# Altium PCB DIOT_Kasli_Adapter.PcbDoc (part 5 of 10) (continued)
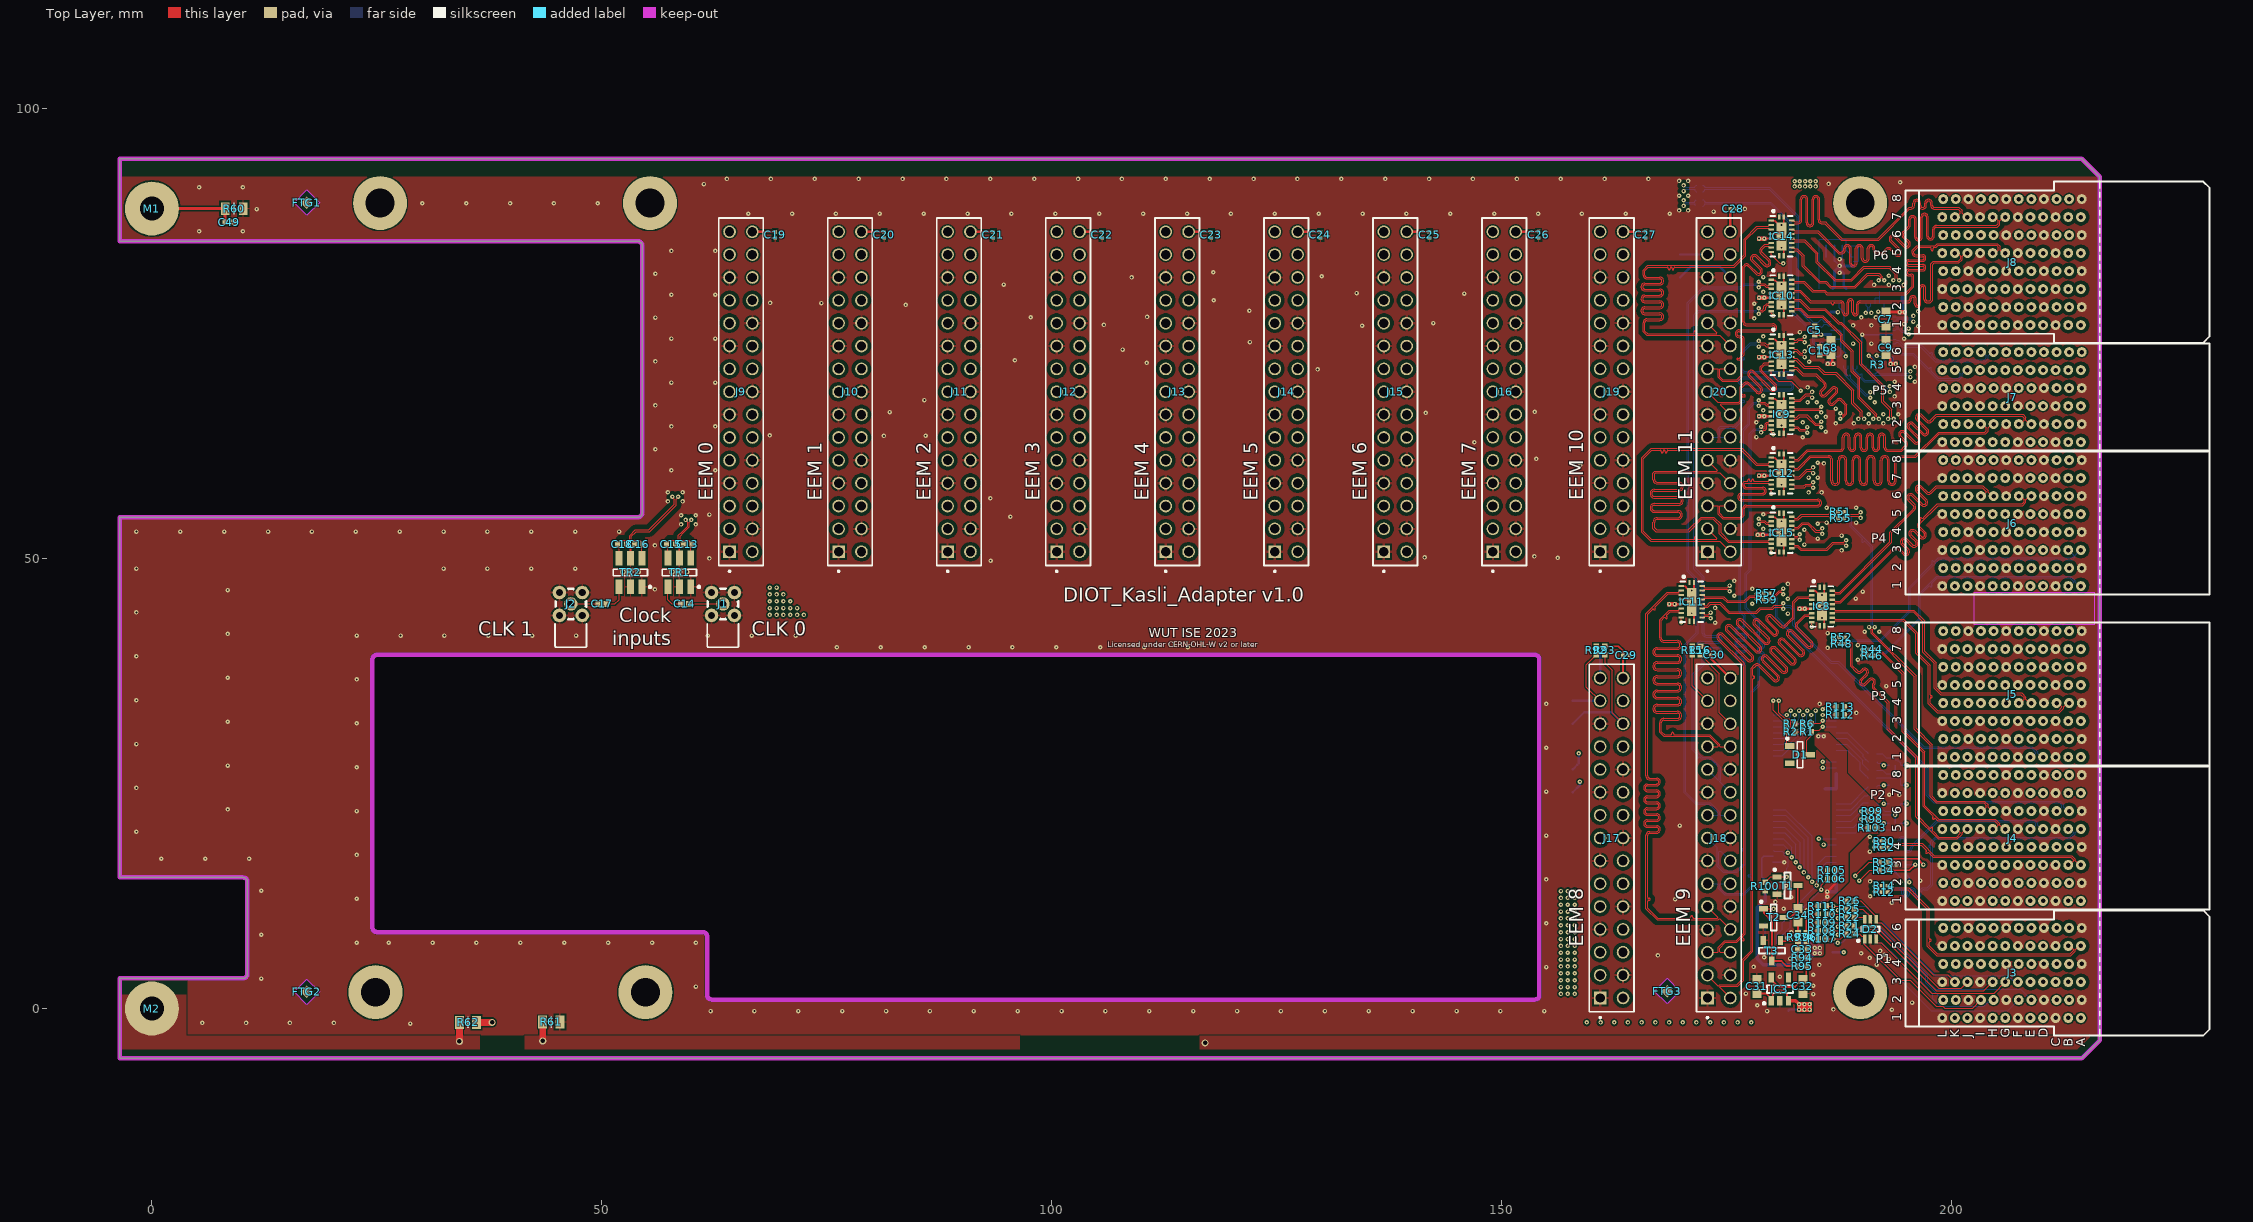
[diagram p0: Top Layer view]
## Nets (pads, with @x,y where several pads share a name; then routed paths per layer and width w, separated by ;. In a path a pad name is that pad's centre, name@x,y a point inside that pad or via, vN(x,y) a via of type N, cw(c..) or ccw(c..) an arc to the next point about the centre after c; other vN are vias at no path point) (continued)
EXT4.LVDS_5_P: J6.G1 J13.17 | length 122.9
  L10 w0.089: J13.17@112.666,71.082 113.738,71.082 113.79,71.03 113.79,70.409 114.435,69.764 115.746,69.764 116.555,68.955 116.671,68.839 ccw(c117.009,69.175) 117.345,68.839 117.563,69.056 ; 117.563,69.056 cw(c117.729,68.89) 117.895,69.056 cw(c117.729,68.89) 117.895,68.724 117.011,67.84 117.011,67.836 ccw(c117.383,67.539) 117.047,67.202 ccw(c117.383,67.539) 117.72,67.202 118.568,68.05 ; 118.569,68.051 cw(c118.735,67.884) 118.901,68.051 cw(c118.735,67.884) 118.901,67.718 118.017,66.834 118.017,66.83 ccw(c118.389,66.533) 118.726,66.196 119.574,67.044 ; 119.575,67.045 cw(c119.741,66.879) 119.907,67.045 cw(c119.741,66.879) 119.907,66.713 119.689,66.495 ccw(c120.026,66.158) 119.69,65.821 120.124,65.387 120.42,65.091 120.42,52.035 123.484,48.971 145.418,48.971 147.04,47.349 172.293,47.349 176.794,42.848 183.873,42.848 184.913,43.888 191.348,43.888 192.161,44.7 204.327,44.7 205.389,45.762 205.389,46.371 J6.G1@205.969,46.95
EXT4.LVDS_6_N: J6.K1 J13.21 | length 122.8
  L10 w0.089: J13.21@112.666,76.162 113.878,74.95 114.13,74.95 114.164,74.983 116.021,74.983 116.913,74.092 117.321,73.683 cw(c116.985,73.347) 117.321,73.01 116.999,72.688 ; 116.999,72.354 ccw(c117.164,72.521) 117.331,72.355 118.31,73.334 118.314,73.334 cw(c118.612,72.962) 118.948,73.299 cw(c118.612,72.962) 118.948,72.625 118.005,71.682 ; 116.998,72.355 cw(c117.164,72.521) 116.998,72.687 ; 118.005,71.349 ccw(c118.17,71.515) 118.336,71.349 119.316,72.329 119.32,72.329 cw(c119.617,71.956) 119.954,72.293 cw(c119.617,71.956) 119.954,71.62 119.01,70.676 ; 118.004,71.349 cw(c118.17,71.515) 118.004,71.681 ; 119.01,70.343 ccw(c119.176,70.509) 119.342,70.343 120.322,71.323 120.326,71.323 cw(c120.623,70.951) 120.96,71.287 cw(c120.623,70.951) 120.96,70.614 120.016,69.67 ; 119.01,70.344 cw(c119.176,70.509) 119.01,70.675 ; 120.016,69.337 ccw(c120.182,69.504) 120.348,69.337 120.671,69.66 cw(c121.008,69.324) 121.344,69.66 121.461,69.544 121.778,69.226 121.778,53.954 123.565,52.167 144.073,52.167 147.693,48.547 190.422,48.547 192.855,46.114 200.625,46.114 200.948,46.437 200.948,46.511 200.509,46.95 J6.K1@200.369,46.95 ; 120.015,69.338 cw(c120.182,69.504) 120.016,69.67
EXT4.LVDS_6_P: J6.J1 J13.20 | length 122.9
  L10 w0.089: J13.20@115.206,73.622 114.212,74.616 114.212,74.69 114.264,74.742 115.921,74.742 116.007,74.656 116.191,74.472 cw(c116.115,74.396) 116.191,74.319 ccw(c116.268,74.243) 116.191,74.167 ccw(c116.268,74.243) 116.344,74.167 cw(c116.42,74.09) 116.497,74.167 116.642,74.021 116.742,73.922 117.151,73.513 cw(c116.985,73.347) 117.151,73.181 116.792,72.822 116.792,72.818 ccw(c117.164,72.521) 116.828,72.184 ccw(c117.164,72.521) 117.501,72.184 118.445,73.128 ; 118.445,73.128 cw(c118.612,72.962) 118.778,73.128 cw(c118.612,72.962) 118.778,72.796 117.798,71.817 117.798,71.812 ccw(c118.17,71.515) 118.507,71.178 119.451,72.122 ; 119.451,72.123 cw(c119.617,71.956) 119.784,72.123 cw(c119.617,71.956) 119.784,71.79 118.804,70.811 118.804,70.807 ccw(c119.176,70.509) 119.513,70.173 120.457,71.116 ; 120.457,71.117 cw(c120.623,70.951) 120.789,71.117 cw(c120.623,70.951) 120.789,70.785 119.81,69.805 119.81,69.801 ccw(c120.182,69.504) 120.519,69.167 120.842,69.49 cw(c121.008,69.324) 121.174,69.49 121.291,69.373 121.537,69.126 121.537,53.854 123.465,51.926 143.973,51.926 147.593,48.306 190.322,48.306 192.755,45.873 200.725,45.873 201.189,46.337 201.189,46.511 201.629,46.95 J6.J1@201.769,46.95
EXT4.LVDS_7_N: J6.C2 J13.24 | length 123
  L10 w0.089: J13.24@115.206,78.702 114.109,78.702 114.057,78.65 114.057,78.012 114.535,77.534 116.004,77.534 116.073,77.465 116.193,77.344 ccw(c116.269,77.421) 116.345,77.344 116.442,77.441 cw(c116.518,77.365) 116.595,77.441 cw(c116.518,77.365) 116.595,77.288 116.498,77.192 ccw(c116.574,77.115) 116.498,77.039 116.682,76.855 123.101,70.437 123.101,55.512 123.93,54.683 142.95,54.683 148.165,49.468 190.652,49.468 192.024,48.096 197.282,48.096 197.529,48.096 ccw(c197.529,48.203) 197.637,48.203 197.637,48.225 cw(c197.745,48.225) 197.853,48.225 197.853,48.203 ccw(c197.961,48.203) 197.961,48.096 198.222,48.096 212.009,48.096 212.248,48.335 212.248,48.539 211.837,48.95 J6.C2@211.669,48.95
EXT4.LVDS_7_P: J6.B2 J13.23 | length 123
  L10 w0.089: J13.23@112.666,78.702 113.763,78.702 113.815,78.65 113.815,77.912 114.435,77.292 115.904,77.292 116.512,76.684 122.859,70.337 122.859,55.412 123.83,54.442 142.85,54.442 148.065,49.227 190.552,49.227 191.924,47.854 197.282,47.854 212.109,47.854 212.489,48.235 212.489,48.559 212.881,48.95 J6.B2@213.069,48.95
EXT5.LVDS_0_N: J6.F2 J14.3 | length 120.6
  L6 w0.089: J14.3@124.785,53.302 125.957,52.13 126.208,52.13 126.234,52.157 128.626,52.157 128.778,52.157 ccw(c128.778,52.392) 129.013,52.392 129.013,53.292 cw(c129.464,53.292) 129.915,53.292 129.915,51.312 ccw(c130.15,51.312) 130.385,51.312 130.385,53.292 cw(c130.835,53.292) 131.286,53.292 131.286,51.312 ccw(c131.521,51.312) 131.756,51.312 131.756,53.292 cw(c132.207,53.292) 132.658,53.292 132.658,51.312 ccw(c132.893,51.312) 133.128,51.312 133.128,53.292 cw(c133.579,53.292) 134.029,53.292 134.029,51.312 ccw(c134.264,51.312) 134.499,51.312 134.499,53.292 cw(c134.95,53.292) 135.401,53.292 135.401,52.392 ccw(c135.636,52.392) 135.636,52.157 136.398,52.157 140.335,52.157 140.487,52.157 ccw(c140.487,52.392) 140.722,52.392 140.722,52.921 cw(c141.173,52.921) 141.624,52.921 141.624,51.503 ccw(c141.859,51.503) 142.094,51.503 142.094,52.921 cw(c142.545,52.921) 142.996,52.921 142.996,52.392 ccw(c143.231,52.392) 143.231,52.157 143.739,52.157 143.975,52.157 147.686,48.446 177.318,48.446 177.692,48.072 191.668,48.072 192.634,48.072 cw(c192.634,47.621) 193.084,47.621 193.084,46.859 ccw(c193.319,46.859) 193.554,46.859 193.554,47.672 cw(c194.005,47.672) 194.456,47.672 194.456,46.859 ccw(c194.691,46.859) 194.926,46.859 194.926,47.672 cw(c195.377,47.672) 195.828,47.672 195.828,46.859 ccw(c196.063,46.859) 196.298,46.859 196.298,47.621 cw(c196.748,47.621) 196.748,48.072 196.901,48.072 207.87,48.072 208.071,48.274 208.071,48.352 207.473,48.95 J6.F2@207.469,48.95
EXT5.LVDS_0_P: J6.E2 J14.2 | length 120.6
  L6 w0.089: J14.2@127.325,50.762 126.272,51.815 126.272,51.889 126.324,51.941 128.626,51.941 128.778,51.941 ccw(c128.778,52.392) 129.229,52.392 129.229,53.292 cw(c129.464,53.292) 129.699,53.292 129.699,51.312 ccw(c130.15,51.312) 130.6,51.312 130.6,53.292 cw(c130.835,53.292) 131.07,53.292 131.07,51.312 ccw(c131.521,51.312) 131.972,51.312 131.972,53.292 cw(c132.207,53.292) 132.442,53.292 132.442,51.312 ccw(c132.893,51.312) 133.344,51.312 133.344,53.292 cw(c133.579,53.292) 133.814,53.292 133.814,51.312 ccw(c134.264,51.312) 134.715,51.312 134.715,53.292 cw(c134.95,53.292) 135.185,53.292 135.185,52.392 ccw(c135.636,52.392) 135.636,51.941 136.398,51.941 140.335,51.941 140.487,51.941 ccw(c140.487,52.392) 140.938,52.392 140.938,52.921 cw(c141.173,52.921) 141.408,52.921 141.408,51.503 ccw(c141.859,51.503) 142.31,51.503 142.31,52.921 cw(c142.545,52.921) 142.78,52.921 142.78,52.392 ccw(c143.231,52.392) 143.231,51.941 143.739,51.941 143.885,51.941 147.597,48.23 177.228,48.23 177.602,47.856 191.668,47.856 192.634,47.856 cw(c192.634,47.621) 192.869,47.621 192.869,46.859 ccw(c193.319,46.859) 193.77,46.859 193.77,47.672 cw(c194.005,47.672) 194.24,47.672 194.24,46.859 ccw(c194.691,46.859) 195.142,46.859 195.142,47.672 cw(c195.377,47.672) 195.612,47.672 195.612,46.859 ccw(c196.063,46.859) 196.513,46.859 196.513,47.621 cw(c196.748,47.621) 196.748,47.856 196.901,47.856 207.959,47.856 208.287,48.184 208.287,48.369 J6.E2@208.869,48.95
EXT5.LVDS_1_N: J6.I2 J14.6 | length 120.6
  L6 w0.089: J14.6@127.325,55.842 126.202,55.842 126.15,55.894 126.15,56.312 126.722,56.883 128.067,56.883 128.327,56.883 cw(c128.327,56.775) 128.435,56.775 128.435,56.69 ccw(c128.543,56.69) 128.651,56.69 128.651,56.775 cw(c128.759,56.775) 128.759,56.883 128.956,56.883 129.672,56.883 129.825,56.883 ccw(c129.825,57.334) 130.276,57.334 130.276,58.427 cw(c130.511,58.427) 130.746,58.427 130.746,56.456 ccw(c131.196,56.456) 131.647,56.456 131.647,58.427 cw(c131.882,58.427) 132.117,58.427 132.117,56.456 ccw(c132.568,56.456) 133.019,56.456 133.019,58.427 cw(c133.254,58.427) 133.489,58.427 133.489,57.198 ccw(c133.94,57.198) 133.621,56.879 134.476,56.024 136.093,54.407 142.992,54.407 143.124,54.275 143.231,54.168 ccw(c143.551,54.486) 143.87,54.167 144.948,55.246 cw(c145.114,55.08) 145.28,55.246 cw(c145.114,55.08) 145.281,54.914 144.081,53.714 ccw(c144.4,53.396) 144.081,53.077 ccw(c144.4,53.396) 144.719,53.077 ; 144.719,53.077 145.918,54.276 cw(c146.084,54.11) 146.25,54.276 cw(c146.084,54.11) 146.251,53.944 145.051,52.745 ccw(c145.37,52.426) 145.051,52.107 ccw(c145.37,52.426) 145.689,52.107 146.888,53.306 cw(c147.054,53.14) 147.22,53.306 cw(c147.054,53.14) 147.221,52.975 146.142,51.895 ccw(c146.46,51.576) 146.142,51.257 146.768,50.631 148.273,49.127 190.754,49.127 190.906,49.127 ccw(c190.906,49.578) 191.357,49.578 191.357,50.252 cw(c191.592,50.252) 191.827,50.252 191.827,49.146 ccw(c192.278,49.146) 192.729,49.146 192.729,50.252 cw(c192.964,50.252) 193.199,50.252 193.199,49.146 ccw(c193.65,49.146) 194.1,49.146 194.1,50.252 cw(c194.335,50.252) 194.57,50.252 194.57,49.146 ccw(c195.021,49.146) 195.472,49.146 195.472,50.252 cw(c195.707,50.252) 195.942,50.252 195.942,49.578 ccw(c196.393,49.578) 196.393,49.127 196.977,49.127 197.212,49.127 197.79,49.704 197.864,49.778 197.996,49.778 cw(c197.996,49.67) 198.104,49.67 198.104,49.657 ccw(c198.212,49.657) 198.32,49.657 198.32,49.67 cw(c198.428,49.67) 198.428,49.778 198.958,49.778 203.639,49.778 203.861,49.557 203.861,49.366 203.445,48.95 J6.I2@203.269,48.95
EXT5.LVDS_1_P: J6.H2 J14.5 | length 120.6
  L6 w0.089: J14.5@124.785,55.842 125.879,55.842 125.931,55.894 125.931,56.398 126.632,57.099 129.672,57.099 129.825,57.099 ccw(c129.825,57.334) 130.06,57.334 130.06,58.427 cw(c130.511,58.427) 130.961,58.427 130.961,56.456 ccw(c131.196,56.456) 131.431,56.456 131.431,58.427 cw(c131.882,58.427) 132.333,58.427 132.333,56.456 ccw(c132.568,56.456) 132.803,56.456 132.803,58.427 cw(c133.254,58.427) 133.705,58.427 133.705,57.198 ccw(c133.94,57.198) 133.773,57.032 134.476,56.33 136.183,54.623 143.082,54.623 143.277,54.428 143.385,54.32 ccw(c143.551,54.486) 143.717,54.32 144.796,55.399 cw(c145.114,55.08) 145.433,55.399 cw(c145.114,55.08) 145.433,54.761 ; 145.433,54.76 144.234,53.562 ccw(c144.4,53.396) 144.234,53.229 ccw(c144.4,53.396) 144.565,53.229 145.765,54.429 cw(c146.084,54.11) 146.403,54.429 cw(c146.084,54.11) 146.403,53.791 ; 146.403,53.791 145.204,52.592 ccw(c145.37,52.426) 145.204,52.26 ccw(c145.37,52.426) 145.535,52.259 146.735,53.459 cw(c147.054,53.14) 147.373,53.459 cw(c147.054,53.14) 147.373,52.821 146.294,51.743 ccw(c146.46,51.576) 146.294,51.411 146.921,50.784 148.362,49.343 190.754,49.343 190.906,49.343 ccw(c190.906,49.578) 191.141,49.578 191.141,50.252 cw(c191.592,50.252) 192.043,50.252 192.043,49.146 ccw(c192.278,49.146) 192.513,49.146 192.513,50.252 cw(c192.964,50.252) 193.415,50.252 193.415,49.146 ccw(c193.65,49.146) 193.885,49.146 193.885,50.252 cw(c194.335,50.252) 194.786,50.252 194.786,49.146 ccw(c195.021,49.146) 195.256,49.146 195.256,50.252 cw(c195.707,50.252) 196.158,50.252 196.158,49.578 ccw(c196.393,49.578) 196.393,49.343 196.977,49.343 197.123,49.343 197.774,49.994 203.729,49.994 204.077,49.646 204.077,49.341 204.468,48.95 J6.H2@204.669,48.95
EXT5.LVDS_2_N: J6.L2 J14.9 | length 120.6
  L10 w0.089: J14.9@124.785,60.922 125.933,59.774 125.933,59.568 125.876,59.512 125.876,57.925 126.799,57.003 128.956,57.003 129.121,57.003 ccw(c129.121,57.479) 129.597,57.479 129.597,58.954 cw(c129.832,58.954) 130.067,58.954 130.067,56.59 ccw(c130.543,56.59) 131.02,56.59 131.02,58.954 cw(c131.255,58.954) 131.489,58.954 131.489,56.59 ccw(c131.966,56.59) 132.442,56.59 132.442,58.954 cw(c132.677,58.954) 132.912,58.954 132.912,56.59 ccw(c133.388,56.59) 133.864,56.59 133.864,58.954 cw(c134.099,58.954) 134.334,58.954 134.334,57.479 ccw(c134.811,57.479) 134.811,57.003 135.966,57.003 141.954,57.003 147.078,51.879 154.61,51.879 154.775,51.879 ccw(c154.775,52.355) 155.251,52.355 155.251,52.533 cw(c155.486,52.533) 155.721,52.533 155.721,51.466 ccw(c156.197,51.466) 156.674,51.466 156.674,52.533 cw(c156.909,52.533) 157.143,52.533 157.143,51.466 ccw(c157.62,51.466) 158.096,51.466 158.096,51.644 cw(c158.331,51.644) 158.331,51.879 159.283,51.879 165.354,51.879 165.519,51.879 ccw(c165.519,52.355) 165.995,52.355 165.995,52.929 cw(c166.23,52.929) 166.465,52.929 166.465,51.132 ccw(c166.942,51.132) 167.418,51.132 167.418,52.929 cw(c167.653,52.929) 167.888,52.929 167.888,51.132 ccw(c168.364,51.132) 168.84,51.132 168.84,52.929 cw(c169.075,52.929) 169.31,52.929 169.31,51.132 ccw(c169.786,51.132) 170.263,51.132 170.263,51.644 cw(c170.498,51.644) 170.498,51.879 171.247,51.879 176.904,51.879 178.845,49.938 199.275,49.938 199.648,49.565 199.648,49.361 199.237,48.95 J6.L2@199.069,48.95
EXT5.LVDS_2_P: J6.K2 J14.8 | length 120.6
  L10 w0.089: J14.8@127.325,58.382 126.243,59.464 126.17,59.464 126.118,59.412 126.118,58.025 126.899,57.244 127.94,57.244 128.238,57.244 ccw(c128.238,57.352) 128.346,57.352 128.346,57.39 cw(c128.454,57.39) 128.562,57.39 128.562,57.352 ccw(c128.67,57.352) 128.67,57.244 128.93,57.244 128.956,57.244 129.121,57.244 ccw(c129.121,57.479) 129.356,57.479 129.356,58.954 cw(c129.832,58.954) 130.308,58.954 130.308,56.59 ccw(c130.543,56.59) 130.778,56.59 130.778,58.954 cw(c131.255,58.954) 131.731,58.954 131.731,56.59 ccw(c131.966,56.59) 132.201,56.59 132.201,58.954 cw(c132.677,58.954) 133.153,58.954 133.153,56.59 ccw(c133.388,56.59) 133.623,56.59 133.623,58.954 cw(c134.099,58.954) 134.576,58.954 134.576,57.479 ccw(c134.811,57.479) 134.811,57.244 135.966,57.244 142.054,57.244 147.178,52.12 154.61,52.12 154.775,52.12 ccw(c154.775,52.355) 155.01,52.355 155.01,52.533 cw(c155.486,52.533) 155.962,52.533 155.962,51.466 ccw(c156.197,51.466) 156.432,51.466 156.432,52.533 cw(c156.909,52.533) 157.385,52.533 157.385,51.466 ccw(c157.62,51.466) 157.855,51.466 157.855,51.644 cw(c158.331,51.644) 158.331,52.12 159.283,52.12 165.354,52.12 165.519,52.12 ccw(c165.519,52.355) 165.754,52.355 165.754,52.929 cw(c166.23,52.929) 166.707,52.929 166.707,51.132 ccw(c166.942,51.132) 167.176,51.132 167.176,52.929 cw(c167.653,52.929) 168.129,52.929 168.129,51.132 ccw(c168.364,51.132) 168.599,51.132 168.599,52.929 cw(c169.075,52.929) 169.551,52.929 169.551,51.132 ccw(c169.786,51.132) 170.021,51.132 170.021,51.644 cw(c170.498,51.644) 170.498,52.12 171.247,52.12 177.004,52.12 178.945,50.179 199.375,50.179 199.889,49.665 199.889,49.341 200.281,48.95 J6.K2@200.469,48.95
EXT5.LVDS_3_N: J8.B3 J14.12 | length 120.6
  L10 w0.089: J14.12@127.325,63.462 126.228,63.462 126.176,63.41 126.176,62.87 126.793,62.252 127.94,62.252 128.187,62.252 ccw(c128.187,62.36) 128.295,62.36 128.295,62.403 cw(c128.403,62.403) 128.511,62.403 128.511,62.36 ccw(c128.619,62.36) 128.619,62.252 128.88,62.252 129.464,62.252 129.629,62.252 ccw(c129.629,62.487) 129.864,62.487 129.864,62.665 cw(c130.34,62.665) 130.816,62.665 130.816,60.846 ccw(c131.051,60.846) 131.286,60.846 131.286,62.665 cw(c131.763,62.665) 132.239,62.665 132.239,60.846 ccw(c132.474,60.846) 132.709,60.846 132.709,62.665 cw(c133.185,62.665) 133.661,62.665 133.661,60.846 ccw(c133.896,60.846) 134.131,60.846 134.131,62.665 cw(c134.607,62.665) 135.084,62.665 135.084,62.487 ccw(c135.319,62.487) 135.319,62.252 136.398,62.252 140.413,62.252 148.11,69.95 152.492,69.95 160.085,77.543 165.913,77.543 166.078,77.543 ccw(c166.078,77.778) 166.313,77.778 166.313,77.93 cw(c166.789,77.93) 167.265,77.93 167.265,76.969 ccw(c167.5,76.969) 167.735,76.969 167.735,77.93 cw(c168.212,77.93) 168.688,77.93 168.688,76.969 ccw(c168.923,76.969) 169.158,76.969 169.158,77.93 cw(c169.634,77.93) 170.11,77.93 170.11,77.778 ccw(c170.345,77.778) 170.345,77.543 170.967,77.543 176.091,77.543 177.767,75.867 180.353,75.867 183.564,79.079 197.409,79.079 197.453,79.079 ccw(c197.453,79.187) 197.561,79.187 197.561,79.302 cw(c197.669,79.302) 197.777,79.302 197.777,79.187 ccw(c197.885,79.187) 197.885,79.079 198.222,79.079 213.239,79.079 213.548,79.388 213.548,79.539 213.137,79.95 J8.B3@212.969,79.95
EXT5.LVDS_3_P: J8.A3 J14.11 | length 120.6
  L10 w0.089: J14.11@124.785,63.462 125.882,63.462 125.934,63.41 125.934,62.77 126.693,62.011 129.464,62.011 129.629,62.011 ccw(c129.629,62.487) 130.105,62.487 130.105,62.665 cw(c130.34,62.665) 130.575,62.665 130.575,60.846 ccw(c131.051,60.846) 131.528,60.846 131.528,62.665 cw(c131.763,62.665) 131.997,62.665 131.997,60.846 ccw(c132.474,60.846) 132.95,60.846 132.95,62.665 cw(c133.185,62.665) 133.42,62.665 133.42,60.846 ccw(c133.896,60.846) 134.372,60.846 134.372,62.665 cw(c134.607,62.665) 134.842,62.665 134.842,62.487 ccw(c135.319,62.487) 135.319,62.011 136.398,62.011 140.513,62.011 148.21,69.709 152.592,69.709 160.185,77.302 165.913,77.302 166.078,77.302 ccw(c166.078,77.778) 166.554,77.778 166.554,77.93 cw(c166.789,77.93) 167.024,77.93 167.024,76.969 ccw(c167.5,76.969) 167.977,76.969 167.977,77.93 cw(c168.212,77.93) 168.446,77.93 168.446,76.969 ccw(c168.923,76.969) 169.399,76.969 169.399,77.93 cw(c169.634,77.93) 169.869,77.93 169.869,77.778 ccw(c170.345,77.778) 170.345,77.302 170.967,77.302 175.991,77.302 177.667,75.626 180.453,75.626 183.664,78.838 213.339,78.838 213.789,79.288 213.789,79.559 214.181,79.95 J8.A3@214.369,79.95
EXT5.LVDS_4_N: J8.E3 J14.15 | length 120.6
  L10 w0.089: J14.15@124.785,68.542 125.933,67.394 125.933,67.159 125.891,67.117 125.891,65.487 126.794,64.584 130.405,64.584 135.496,69.675 141.955,69.675 146.978,74.697 152.331,74.697 153.167,75.534 153.284,75.651 ccw(c152.947,75.988) 153.284,76.324 152.948,76.66 cw(c153.115,76.826) 152.949,76.992 cw(c153.115,76.826) 153.281,76.992 ; 153.282,76.991 154.499,75.775 ccw(c154.836,76.111) 155.173,75.774 ccw(c154.836,76.111) 155.208,76.408 155.208,76.412 153.954,77.666 cw(c154.121,77.832) 153.955,77.998 cw(c154.121,77.832) 154.287,77.998 ; 154.288,77.997 155.504,76.78 ccw(c155.842,77.116) 156.179,76.78 ccw(c155.842,77.116) 156.214,77.414 156.214,77.418 154.96,78.672 cw(c155.127,78.838) 154.96,79.004 cw(c155.127,78.838) 155.293,79.003 ; 155.293,79.003 156.51,77.786 ccw(c156.848,78.122) 157.184,77.785 ccw(c156.848,78.122) 157.22,78.419 157.22,78.424 155.966,79.678 cw(c156.132,79.843) 155.966,80.009 cw(c156.132,79.843) 156.299,80.009 ; 156.299,80.009 157.516,78.792 ccw(c157.853,79.128) 158.19,78.791 ccw(c157.853,79.128) 158.225,79.425 158.225,79.429 156.972,80.683 cw(c157.138,80.849) 156.972,81.015 cw(c157.138,80.849) 157.304,81.015 ; 157.305,81.015 158.522,79.798 ccw(c158.859,80.134) 159.196,79.797 ccw(c158.859,80.134) 159.231,80.431 159.231,80.435 157.977,81.689 cw(c158.144,81.855) 157.978,82.021 cw(c158.144,81.855) 158.31,82.021 ; 158.311,82.02 158.645,81.686 ccw(c158.982,82.022) 159.319,81.686 159.86,82.226 159.98,82.346 178.315,82.346 179.692,83.724 195.004,83.724 197.894,80.834 209.067,80.834 209.348,80.553 209.348,80.361 208.937,79.95 J8.E3@208.769,79.95
EXT5.LVDS_4_P: J8.D3 J14.14 | length 120.6
  L10 w0.089: J14.14@127.325,66.002 126.258,67.069 126.184,67.069 126.132,67.017 126.132,65.587 126.894,64.825 128.219,64.825 128.543,64.825 ccw(c128.543,64.933) 128.651,64.933 128.651,64.985 cw(c128.759,64.985) 128.867,64.985 128.867,64.933 ccw(c128.975,64.933) 128.975,64.825 129.235,64.825 130.305,64.825 135.396,69.916 141.855,69.916 146.878,74.939 152.231,74.939 152.997,75.705 153.114,75.821 ccw(c152.947,75.988) 153.114,76.154 152.779,76.489 cw(c153.115,76.826) 152.778,77.163 cw(c153.115,76.826) 153.412,77.198 153.416,77.198 154.67,75.944 ccw(c154.836,76.111) 155.002,75.944 ccw(c154.836,76.111) 155.002,76.277 153.785,77.494 cw(c154.121,77.832) 153.784,78.168 cw(c154.121,77.832) 154.418,78.204 154.422,78.204 155.676,76.95 ccw(c155.842,77.116) 156.008,76.95 ccw(c155.842,77.116) 156.008,77.283 154.79,78.5 cw(c155.127,78.838) 154.79,79.174 cw(c155.127,78.838) 155.424,79.21 155.428,79.21 156.682,77.956 ccw(c156.848,78.122) 157.014,77.956 ccw(c156.848,78.122) 157.013,78.289 155.796,79.506 cw(c156.132,79.843) 155.796,80.18 cw(c156.132,79.843) 156.43,80.215 156.434,80.215 157.688,78.961 ccw(c157.853,79.128) 158.02,78.962 ccw(c157.853,79.128) 158.019,79.294 156.802,80.512 cw(c157.138,80.849) 156.801,81.186 cw(c157.138,80.849) 157.435,81.221 157.439,81.221 158.693,79.967 ccw(c158.859,80.134) 159.025,79.968 ccw(c158.859,80.134) 159.025,80.3 157.808,81.517 cw(c158.144,81.855) 157.807,82.192 cw(c158.144,81.855) 158.441,82.227 158.445,82.227 158.816,81.856 ccw(c158.982,82.022) 159.148,81.856 159.689,82.397 159.88,82.588 178.215,82.588 179.592,83.965 195.104,83.965 197.994,81.076 209.167,81.076 209.589,80.653 209.589,80.341 209.981,79.95 J8.D3@210.169,79.95
EXT5.LVDS_5_N: J8.H3 J14.18 | length 120.6
  L4 w0.089: J14.18@127.325,71.082 126.228,71.082 126.176,71.03 126.176,70.617 126.855,69.937 128.168,69.937 128.416,69.937 ccw(c128.416,70.045) 128.524,70.045 128.524,70.095 cw(c128.632,70.095) 128.74,70.095 128.74,70.045 ccw(c128.848,70.045) 128.848,69.937 129.108,69.937 143.4,69.937 148.454,74.992 152.933,74.992 153.099,74.992 ccw(c153.099,75.227) 153.333,75.227 153.333,75.654 cw(c153.81,75.654) 154.286,75.654 154.286,73.937 ccw(c154.521,73.937) 154.756,73.937 154.756,75.654 cw(c155.232,75.654) 155.708,75.654 155.708,73.937 ccw(c155.943,73.937) 156.178,73.937 156.178,75.654 cw(c156.655,75.654) 157.131,75.654 157.131,73.937 ccw(c157.366,73.937) 157.601,73.937 157.601,75.654 cw(c158.077,75.654) 158.553,75.654 158.553,73.937 ccw(c158.788,73.937) 159.023,73.937 159.023,74.515 cw(c159.499,74.515) 159.499,74.992 160.13,74.992 164.846,74.992 165.011,74.992 ccw(c165.011,75.227) 165.246,75.227 165.246,75.766 cw(c165.722,75.766) 166.199,75.766 166.199,73.945 ccw(c166.434,73.945) 166.668,73.945 166.668,75.766 cw(c167.145,75.766) 167.621,75.766 167.621,73.945 ccw(c167.856,73.945) 168.091,73.945 168.091,75.766 cw(c168.567,75.766) 169.043,75.766 169.043,73.945 ccw(c169.278,73.945) 169.513,73.945 169.513,75.766 cw(c169.99,75.766) 170.466,75.766 170.466,73.945 ccw(c170.701,73.945) 170.936,73.945 170.936,74.515 cw(c171.412,74.515) 171.412,74.992 172.161,74.992 176.414,74.992 177.357,75.934 181.363,75.934 184.211,78.782 196.068,78.782 196.327,79.041 197.51,79.041 197.555,79.041 ccw(c197.555,79.149) 197.663,79.149 197.663,79.252 cw(c197.771,79.252) 197.879,79.252 197.879,79.149 ccw(c197.987,79.149) 197.987,79.041 198.247,79.041 204.832,79.041 205.148,79.357 205.148,79.431 204.629,79.95 J8.H3@204.569,79.95
EXT5.LVDS_5_P: J8.G3 J14.17 | length 120.6
  L4 w0.089: J14.17@124.785,71.082 125.882,71.082 125.934,71.03 125.934,70.517 126.755,69.696 143.5,69.696 148.554,74.75 152.933,74.75 153.099,74.75 ccw(c153.099,75.227) 153.575,75.227 153.575,75.654 cw(c153.81,75.654) 154.045,75.654 154.045,73.937 ccw(c154.521,73.937) 154.997,73.937 154.997,75.654 cw(c155.232,75.654) 155.467,75.654 155.467,73.937 ccw(c155.943,73.937) 156.42,73.937 156.42,75.654 cw(c156.655,75.654) 156.889,75.654 156.889,73.937 ccw(c157.366,73.937) 157.842,73.937 157.842,75.654 cw(c158.077,75.654) 158.312,75.654 158.312,73.937 ccw(c158.788,73.937) 159.264,73.937 159.264,74.515 cw(c159.499,74.515) 159.499,74.75 160.13,74.75 164.846,74.75 165.011,74.75 ccw(c165.011,75.227) 165.487,75.227 165.487,75.766 cw(c165.722,75.766) 165.957,75.766 165.957,73.945 ccw(c166.434,73.945) 166.91,73.945 166.91,75.766 cw(c167.145,75.766) 167.38,75.766 167.38,73.945 ccw(c167.856,73.945) 168.332,73.945 168.332,75.766 cw(c168.567,75.766) 168.802,75.766 168.802,73.945 ccw(c169.278,73.945) 169.755,73.945 169.755,75.766 cw(c169.99,75.766) 170.224,75.766 170.224,73.945 ccw(c170.701,73.945) 171.177,73.945 171.177,74.515 cw(c171.412,74.515) 171.412,74.75 172.161,74.75 176.514,74.75 177.457,75.693 181.463,75.693 184.311,78.541 196.168,78.541 196.427,78.8 204.932,78.8 205.389,79.257 205.389,79.431 205.909,79.95 J8.G3@205.969,79.95
EXT5.LVDS_6_N: J8.K3 J14.21 | length 120.6
  L4 w0.089: J14.21@124.785,76.162 125.944,75.003 125.944,74.752 125.91,74.718 125.91,73.191 126.87,72.231 129.134,72.231 129.299,72.231 ccw(c129.299,72.708) 129.775,72.708 129.775,73.748 cw(c130.01,73.748) 130.245,73.748 130.245,71.793 ccw(c130.721,71.793) 131.197,71.793 131.197,73.748 cw(c131.432,73.748) 131.667,73.748 131.667,71.793 ccw(c132.144,71.793) 132.62,71.793 132.62,73.748 cw(c132.855,73.748) 133.09,73.748 133.09,71.793 ccw(c133.566,71.793) 134.042,71.793 134.042,73.748 cw(c134.277,73.748) 134.512,73.748 134.512,71.793 ccw(c134.988,71.793) 135.465,71.793 135.465,71.996 cw(c135.7,71.996) 135.7,72.231 136.474,72.231 142.296,72.231 147.375,77.311 153.054,77.311 158.145,82.402 164.948,82.402 165.113,82.402 ccw(c165.113,82.879) 165.589,82.879 165.589,83.197 cw(c165.824,83.197) 166.059,83.197 166.059,81.531 ccw(c166.535,81.531) 167.011,81.531 167.011,83.197 cw(c167.246,83.197) 167.481,83.197 167.481,81.531 ccw(c167.958,81.531) 168.434,81.531 168.434,83.197 cw(c168.669,83.197) 168.904,83.197 168.904,81.531 ccw(c169.38,81.531) 169.856,81.531 169.856,83.197 cw(c170.091,83.197) 170.326,83.197 170.326,81.531 ccw(c170.802,81.531) 171.279,81.531 171.279,82.167 cw(c171.514,82.167) 171.514,82.402 172.466,82.402 178.77,82.402 180.12,81.052 181.66,81.052 183.159,79.553 195.731,79.553 196.975,80.797 200.765,80.797 200.948,80.613 200.948,80.529 J8.K3@200.369,79.95
EXT5.LVDS_6_P: J8.J3 J14.20 | length 120.6
  L4 w0.089: J14.20@127.325,73.622 126.277,74.67 126.203,74.67 126.151,74.618 126.151,73.291 126.97,72.473 127.94,72.473 128.416,72.473 ccw(c128.416,72.581) 128.524,72.581 128.524,72.662 cw(c128.632,72.662) 128.74,72.662 128.74,72.581 ccw(c128.848,72.581) 128.848,72.473 129.108,72.473 129.134,72.473 129.299,72.473 ccw(c129.299,72.708) 129.534,72.708 129.534,73.748 cw(c130.01,73.748) 130.486,73.748 130.486,71.793 ccw(c130.721,71.793) 130.956,71.793 130.956,73.748 cw(c131.432,73.748) 131.909,73.748 131.909,71.793 ccw(c132.144,71.793) 132.378,71.793 132.378,73.748 cw(c132.855,73.748) 133.331,73.748 133.331,71.793 ccw(c133.566,71.793) 133.801,71.793 133.801,73.748 cw(c134.277,73.748) 134.753,73.748 134.753,71.793 ccw(c134.988,71.793) 135.223,71.793 135.223,71.996 cw(c135.7,71.996) 135.7,72.473 136.474,72.473 142.196,72.473 147.275,77.552 152.954,77.552 158.045,82.644 164.948,82.644 165.113,82.644 ccw(c165.113,82.879) 165.348,82.879 165.348,83.197 cw(c165.824,83.197) 166.3,83.197 166.3,81.531 ccw(c166.535,81.531) 166.77,81.531 166.77,83.197 cw(c167.246,83.197) 167.723,83.197 167.723,81.531 ccw(c167.958,81.531) 168.192,81.531 168.192,83.197 cw(c168.669,83.197) 169.145,83.197 169.145,81.531 ccw(c169.38,81.531) 169.615,81.531 169.615,83.197 cw(c170.091,83.197) 170.567,83.197 170.567,81.531 ccw(c170.802,81.531) 171.037,81.531 171.037,82.167 cw(c171.514,82.167) 171.514,82.644 172.466,82.644 178.87,82.644 180.22,81.293 181.76,81.293 183.259,79.794 195.631,79.794 196.875,81.038 200.864,81.038 201.189,80.713 201.189,80.529 J8.J3@201.769,79.95